# KiCad board processor.Z80.kicad_pcb
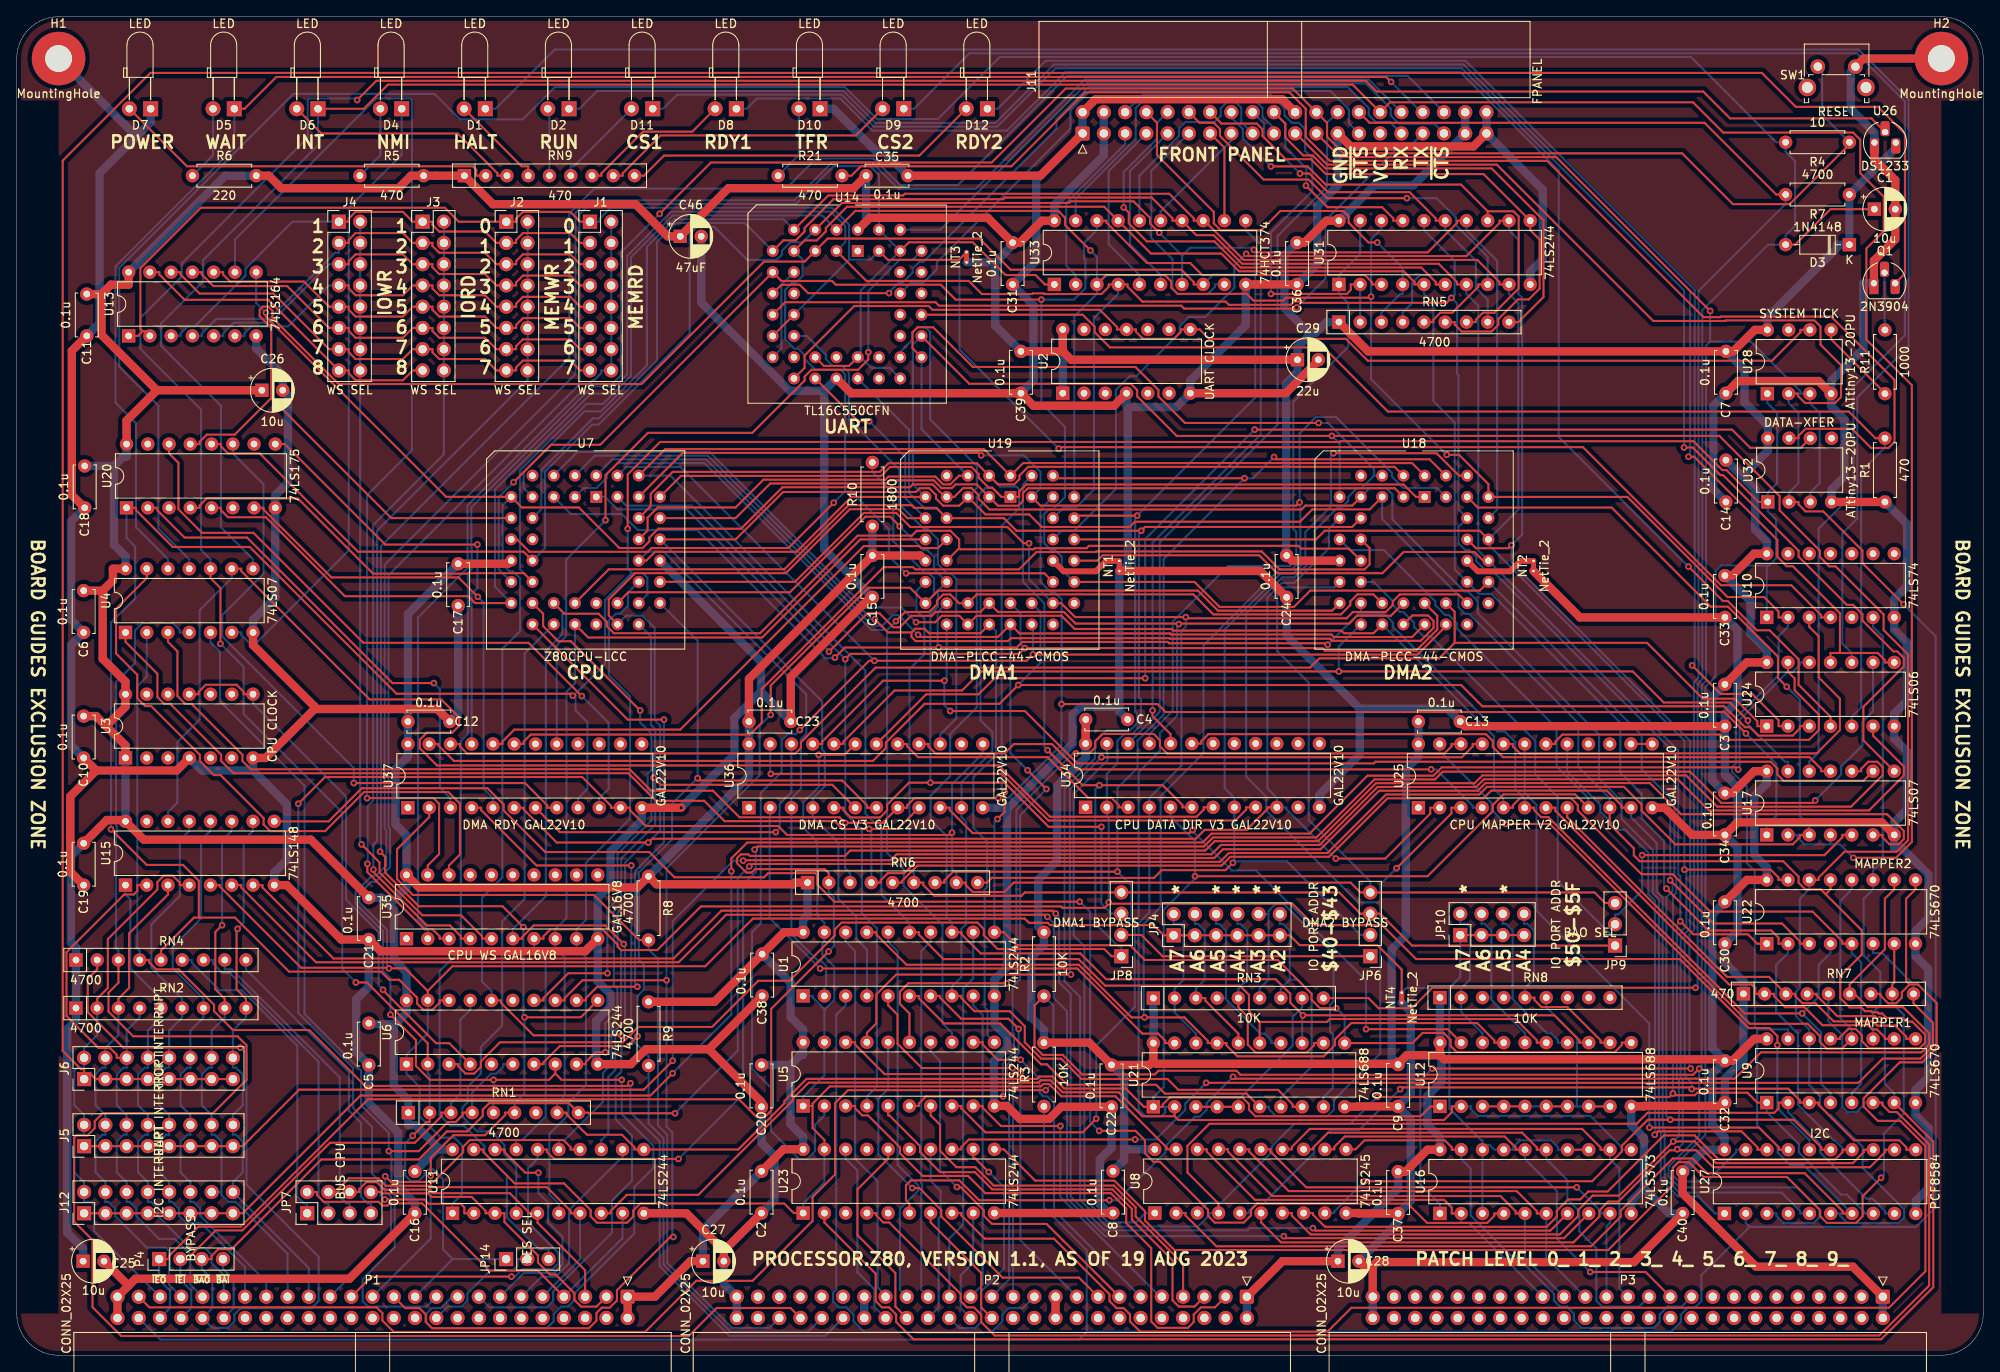
[diagram p0: board, top side]
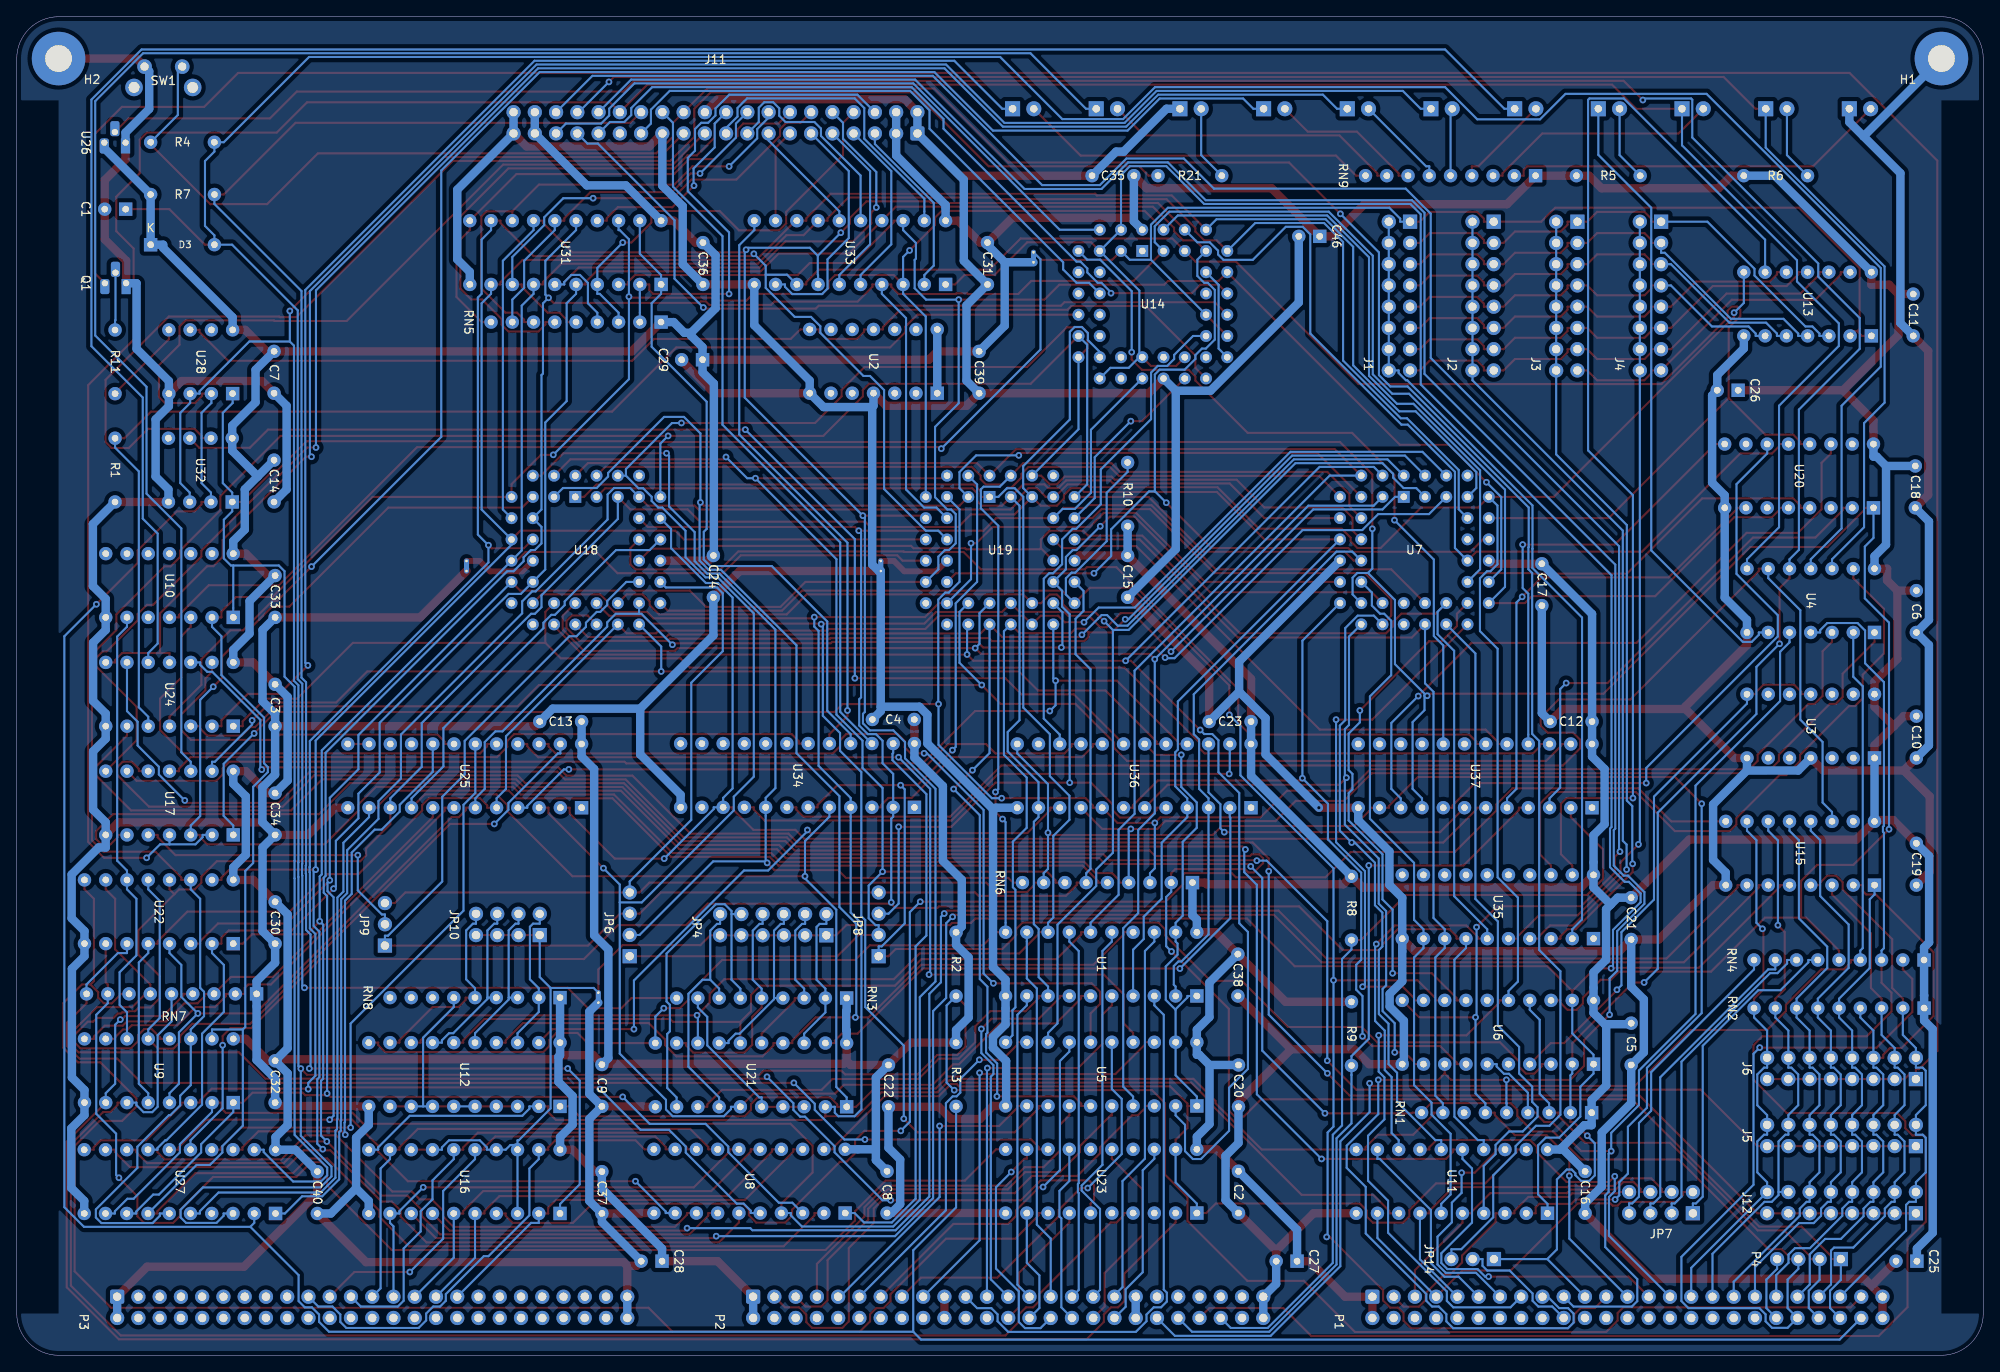
[diagram p1: board, bottom side, seen from below]

Outline 235 x 160 mm; copper layers: Top, Bottom. Coordinates in mm from the lower left corner of the outline.
Outline path: 0,155 0,5 arc(1.46,1.46) 5,0 230,0 arc(233.54,1.46) 235,5 235,155 arc(233.54,158.54) 230,160 5,160 arc(1.46,158.54) 0,155
Stack: Top 0.035mm / dielectric 1.51mm FR4 er 4.5 / Bottom 0.035mm

## Placement (name value [footprint] x y rotation side)
C1  10u  [CP_Radial_D5.0mm_P2.50mm]  221.98 137 0 top
C2  0.1u  [C_Disc_D5.0mm_W2.5mm_P5.00mm]  89 22 270 top
C3  0.1u  [C_Disc_D5.0mm_W2.5mm_P5.00mm]  204.12 80.2 270 top
C4  0.1u  [C_Disc_D5.0mm_W2.5mm_P5.00mm]  127.75 76 0 top
C5  0.1u  [C_Disc_D5.0mm_W2.5mm_P5.00mm]  42.08 39.7 270 top
C6  0.1u  [C_Disc_D5.0mm_W2.5mm_P5.00mm]  7.99 91.4 270 top
C7  0.1u  [C_Disc_D5.0mm_W2.5mm_P5.00mm]  204.25 120 270 top
C8  0.1u  [C_Disc_D5.0mm_W2.5mm_P5.00mm]  131 22 270 top
C9  0.1u  [C_Disc_D5.0mm_W2.5mm_P5.00mm]  165.07 34.75 270 top
C10  0.1u  [C_Disc_D5.0mm_W2.5mm_P5.00mm]  7.99 76.4 270 top
C11  0.1u  [C_Disc_D5.0mm_W2.5mm_P5.00mm]  8.37 126.85 270 top
C12  0.1u  [C_Disc_D5.0mm_W2.5mm_P5.00mm]  46.75 75.75 0 top
C13  0.1u  [C_Disc_D5.0mm_W2.5mm_P5.00mm]  167.5 75.75 0 top
C14  0.1u  [C_Disc_D5.0mm_W2.5mm_P5.00mm]  204.25 107 270 top
C15  0.1u  [C_Disc_D5.0mm_W2.5mm_P5.00mm]  102.25 95.6 270 top
C16  0.1u  [C_Disc_D5.0mm_W2.5mm_P5.00mm]  47.58 21.97 270 top
C17  0.1u  [C_Disc_D5.0mm_W2.5mm_P5.00mm]  52.75 94.61 270 top
C18  0.1u  [C_Disc_D5.0mm_W2.5mm_P5.00mm]  8.12 106.3 270 top
C19  0.1u  [C_Disc_D5.0mm_W2.5mm_P5.00mm]  7.99 61.2 270 top
C20  0.1u  [C_Disc_D5.0mm_W2.5mm_P5.00mm]  89 34.7 270 top
C21  0.1u  [C_Disc_D5.0mm_W2.5mm_P5.00mm]  42.08 54.7 270 top
C22  0.1u  [C_Disc_D5.0mm_W2.5mm_P5.00mm]  130.82 34.7 270 top
C23  0.1u  [C_Disc_D5.0mm_W2.5mm_P5.00mm]  87.5 75.75 0 top
C24  0.1u  [C_Disc_D5.0mm_W2.5mm_P5.00mm]  151.75 95.6 270 top
C25  10u  [CP_Radial_D5.0mm_P2.50mm]  7.93 11.25 0 top
C26  10u  [CP_Radial_D5.0mm_P2.50mm]  29.29 115.35 0 top
C27  10u  [CP_Radial_D5.0mm_P2.50mm]  82 11.25 0 top
C28  10u  [CP_Radial_D5.0mm_P2.50mm]  157.88 11.25 0 top
C29  22u  [CP_Radial_D5.0mm_P2.50mm]  153.04 119 0 top
C30  0.1u  [C_Disc_D5.0mm_W2.5mm_P5.00mm]  204.12 54.2 270 top
C31  0.1u  [C_Disc_D5.0mm_W2.5mm_P5.00mm]  119 133 270 top
C32  0.1u  [C_Disc_D5.0mm_W2.5mm_P5.00mm]  204.12 35.2 270 top
C33  0.1u  [C_Disc_D5.0mm_W2.5mm_P5.00mm]  204.12 93.2 270 top
C34  0.1u  [C_Disc_D5.0mm_W2.5mm_P5.00mm]  204.12 67.2 270 top
C35  0.1u  [C_Disc_D5.0mm_W2.5mm_P5.00mm]  101.5 141 0 top
C36  0.1u  [C_Disc_D5.0mm_W2.5mm_P5.00mm]  153 133 270 top
C37  0.1u  [C_Disc_D5.0mm_W2.5mm_P5.00mm]  165.07 21.95 270 top
C38  0.1u  [C_Disc_D5.0mm_W2.5mm_P5.00mm]  89.08 47.95 270 top
C39  0.1u  [C_Disc_D5.0mm_W2.5mm_P5.00mm]  120 120 270 top
C40  0.1u  [C_Disc_D5.0mm_W2.5mm_P5.00mm]  199.07 21.95 270 top
C46  47uF  [CP_Radial_D5.0mm_P2.50mm]  79.29 133.75 0 top
D1  LED  [LED_D3.0mm_Horizontal_O3.81mm_Z2.0mm]  56 149 180 top
D2  LED  [LED_D3.0mm_Horizontal_O3.81mm_Z2.0mm]  66 149 180 top
D3  1N4148  [D_DO-35_SOD27_P7.62mm_Horizontal]  219 132.75 180 top
D4  LED  [LED_D3.0mm_Horizontal_O3.81mm_Z2.0mm]  46 149 180 top
D5  LED  [LED_D3.0mm_Horizontal_O3.81mm_Z2.0mm]  26 149 180 top
D6  LED  [LED_D3.0mm_Horizontal_O3.81mm_Z2.0mm]  36 149 180 top
D7  LED  [LED_D3.0mm_Horizontal_O3.81mm_Z2.0mm]  16 149 180 top
D8  LED  [LED_D3.0mm_Horizontal_O3.81mm_Z2.0mm]  86 149 180 top
D9  LED  [LED_D3.0mm_Horizontal_O3.81mm_Z2.0mm]  106 149 180 top
D10  LED  [LED_D3.0mm_Horizontal_O3.81mm_Z2.0mm]  96 149 180 top
D11  LED  [LED_D3.0mm_Horizontal_O3.81mm_Z2.0mm]  76 149 180 top
D12  LED  [LED_D3.0mm_Horizontal_O3.81mm_Z2.0mm]  116 149 180 top
H1  MountingHole  [MountingHole_3.2mm_M3_Pad]  5 155 0 top
H2  MountingHole  [MountingHole_3.2mm_M3_Pad]  230 155 0 top
J1  WS SEL  [PinHeader_2x08_P2.54mm_Vertical]  68.5 135.5 0 top
J2  WS SEL  [PinHeader_2x08_P2.54mm_Vertical]  58.5 135.5 0 top
J3  WS SEL  [PinHeader_2x08_P2.54mm_Vertical]  48.5 135.5 0 top
J4  WS SEL  [PinHeader_2x08_P2.54mm_Vertical]  38.5 135.5 0 top
J5  UART INTERRUPT  [PinHeader_2x08_P2.54mm_Vertical]  8.05 25 90 top
J6  TICK INTERRUPT  [PinHeader_2x08_P2.54mm_Vertical]  8.05 33.01 90 top
J11  FPANEL  [IDC-Header_2x20_P2.54mm_Horizontal]  127.37 146.05 90 top
J12  I2C INTERRUPT  [PinHeader_2x08_P2.54mm_Vertical]  8.05 16.97 90 top
JP4  IO PORT ADDR  [PinHeader_2x06_P2.54mm_Vertical]  138.25 50.2 90 top
JP6  DMA2 BYPASS  [PinHeader_1x04_P2.54mm_Vertical]  161.75 47.7 180 top
JP7  BUS CPU  [PinHeader_2x04_P2.54mm_Vertical]  34.7 16.97 90 top
JP8  DMA1 BYPASS  [PinHeader_1x04_P2.54mm_Vertical]  132 47.7 180 top
JP9  BAO SEL  [PinHeader_1x03_P2.54mm_Vertical]  191 48.97 180 top
JP10  IO PORT ADDR  [PinHeader_2x04_P2.54mm_Vertical]  172.5 50.22 90 top
JP14  RES SEL  [PinHeader_1x03_P2.54mm_Vertical]  58.47 11.5 90 top
NT1  NetTie_2  [NetTie-2_THT_Pad0.3mm]  131.75 93.75 90 top
NT2  NetTie_2  [NetTie-2_THT_Pad0.3mm]  181.25 93.75 90 top
NT3  NetTie_2  [NetTie-2_THT_Pad0.3mm]  113.5 130.65 90 top
NT4  NetTie_2  [NetTie-2_THT_Pad0.3mm]  165.5 42.15 90 top
P1  CONN_02X25  [IDC-Header_2x25_P2.54mm_Horizontal]  73 7 270 top
P2  CONN_02X25  [IDC-Header_2x25_P2.54mm_Horizontal]  147 7 270 top
P3  CONN_02X25  [IDC-Header_2x25_P2.54mm_Horizontal]  223 7 270 top
P4  BYPASS  [PinHeader_1x04_P2.54mm_Vertical]  17.02 11.5 90 top
Q1  2N3904  [TO-92_HandSolder]  221.93 128.14 0 top
R1  470  [R_Axial_DIN0207_L6.3mm_D2.5mm_P7.62mm_Horizontal]  223.25 102 90 top
R2  10K  [R_Axial_DIN0207_L6.3mm_D2.5mm_P7.62mm_Horizontal]  122.75 42.94 90 top
R3  10K  [R_Axial_DIN0207_L6.3mm_D2.5mm_P7.62mm_Horizontal]  122.75 29.75 90 top
R4  10  [R_Axial_DIN0207_L6.3mm_D2.5mm_P7.62mm_Horizontal]  219 145 180 top
R5  470  [R_Axial_DIN0207_L6.3mm_D2.5mm_P7.62mm_Horizontal]  41 141 0 top
R6  220  [R_Axial_DIN0207_L6.3mm_D2.5mm_P7.62mm_Horizontal]  21 141 0 top
R7  4700  [R_Axial_DIN0207_L6.3mm_D2.5mm_P7.62mm_Horizontal]  219 138.75 180 top
R8  4700  [R_Axial_DIN0207_L6.3mm_D2.5mm_P7.62mm_Horizontal]  75.5 57.25 270 top
R9  4700  [R_Axial_DIN0207_L6.3mm_D2.5mm_P7.62mm_Horizontal]  75.5 42.25 270 top
R10  1800  [R_Axial_DIN0207_L6.3mm_D2.5mm_P7.62mm_Horizontal]  102.25 99.1 90 top
R11  1000  [R_Axial_DIN0207_L6.3mm_D2.5mm_P7.62mm_Horizontal]  223.25 114.94 90 top
R21  470  [R_Axial_DIN0207_L6.3mm_D2.5mm_P7.62mm_Horizontal]  91 141 0 top
RN1  4700  [R_Array_SIP9]  46.8 29 0 top
RN2  4700  [R_Array_SIP9]  7.07 41.5 0 top
RN3  10K  [R_Array_SIP9]  135.82 42.7 0 top
RN4  4700  [R_Array_SIP9]  7.08 47.25 0 top
RN5  4700  [R_Array_SIP9]  158 123.5 0 top
RN6  4700  [R_Array_SIP9]  94.5 56.5 0 top
RN7  470  [R_Array_SIP9]  206.34 43.2 0 top
RN8  10K  [R_Array_SIP9]  170.07 42.75 0 top
RN9  470  [R_Array_SIP9]  53.5 141 0 top
SW1  RESET  [SW_Tactile_SPST_Angled_PTS645Vx58-2LFS]  215.22 154.04 0 top
U1  74LS244  [DIP-20_W7.62mm]  93.97 42.95 90 top
U2  UART CLOCK  [DIP-14_W7.62mm]  125 115 90 top
U3  CPU CLOCK  [DIP-14_W7.62mm]  12.99 71.4 90 top
U4  74LS07  [DIP-14_W7.62mm]  12.99 86.4 90 top
U5  74LS244  [DIP-20_W7.62mm]  93.97 29.8 90 top
U6  74LS244  [DIP-20_W7.62mm]  46.58 34.8 90 top
U7  Z80CPU-LCC  [PLCC-44_THT-Socket]  69.25 102.61 0 top
U8  74LS245  [DIP-20_W7.62mm]  136 17 90 top
U9  74LS670  [DIP-16_W7.62mm]  209.12 30.2 90 top
U10  74LS74  [DIP-14_W7.62mm]  209.12 88.2 90 top
U11  74LS244  [DIP-20_W7.62mm]  52.08 16.97 90 top
U12  74LS688  [DIP-20_W7.62mm]  170.07 29.75 90 top
U13  74LS164  [DIP-14_W7.62mm]  13.37 121.85 90 top
U14  TL16C550CFN  [PLCC-44_THT-Socket]  100.5 132 0 top
U15  74LS148  [DIP-16_W7.62mm]  12.99 56.2 90 top
U16  74LS373  [DIP-20_W7.62mm]  170.07 16.95 90 top
U17  74LS07  [DIP-14_W7.62mm]  209.12 62.2 90 top
U18  DMA-PLCC-44-CMOS  [PLCC-44_THT-Socket]  168.25 102.6 0 top
U19  DMA-PLCC-44-CMOS  [PLCC-44_THT-Socket]  118.75 102.6 0 top
U20  74LS175  [DIP-16_W7.62mm]  13.12 101.3 90 top
U21  74LS688  [DIP-20_W7.62mm]  135.82 29.7 90 top
U22  74LS670  [DIP-16_W7.62mm]  209.12 49.2 90 top
U23  74LS244  [DIP-20_W7.62mm]  93.97 17 90 top
U24  74LS06  [DIP-14_W7.62mm]  209.12 75.2 90 top
U25  GAL22V10  [DIP-24_W7.62mm]  167.5 65.45 90 top
U26  DS1233  [TO-92L_HandSolder]  222 144.95 0 top
U27  PCF8584  [DIP-20_W7.62mm]  204.07 16.95 90 top
U28  ATtiny13-20PU  [DIP-8_W7.62mm]  209.2 114.95 90 top
U31  74LS244  [DIP-20_W7.62mm]  158 128 90 top
U32  ATtiny13-20PU  [DIP-8_W7.62mm]  209.25 102 90 top
U33  74HCT374  [DIP-20_W7.62mm]  124 128 90 top
U34  GAL22V10  [DIP-24_W7.62mm]  127.72 65.5 90 top
U35  GAL16V8  [DIP-20_W7.62mm]  46.58 49.8 90 top
U36  GAL22V10  [DIP-24_W7.62mm]  87.5 65.45 90 top
U37  GAL22V10  [DIP-24_W7.62mm]  46.75 65.45 90 top

## Library data of the parts
U7 = -: Manufacturer_Name: Zilog; Manufacturer_Part_Number: Z84C00
U18 U19 = -: Description: 6 MHZ Z80 CMOS SIO/2 , Z84C4206PEG Zilog Z84C4206PEG, 8bit Z8 Microcontroller, 6MHz ROMLess, 40-Pin PDIP; Allied Price/Stock: https://www.alliedelec.com/zilog-z84c4206peg/R1000052/; Allied_Number: R1000052; Height: 4.06; Manufacturer_Name: Zilog; Manufacturer_Part_Number: Z84C4206PEG; Mouser Part Number: 692-Z84C4206PEG; Mouser Price/Stock: https://www.mouser.com/Search/Refine.aspx?Keyword=692-Z84C4206PEG; RS Part Number: 6600766; RS Price/Stock: https://uk.rs-online.com/web/p/products/6600766

## Footprints (pads in the part's own frame, mm; a bottom-side part is the same pattern mirrored in y, then rotated)
C_Disc_D5.0mm_W2.5mm_P5.00mm
  round 1.6 hole 0.8: 1(0,0) 2(5,0)
CP_Radial_D5.0mm_P2.50mm
  rect 1.6x1.6 hole 0.8: 1(0,0)
  round 1.6 hole 0.8: 2(2.5,0)
D_DO-35_SOD27_P7.62mm_Horizontal
  rect 1.6x1.6 hole 0.8: 1(0,0)
  oval 1.6x1.6 hole 0.8: 2(7.62,0)
DIP-8_W7.62mm
  rect 1.6x1.6 hole 0.8: 1(0,0)
  oval 1.6x1.6 hole 0.8: 2(0,-2.54) 3(0,-5.08) 4(0,-7.62) 5(7.62,-7.62) 6(7.62,-5.08) 7(7.62,-2.54) 8(7.62,0)
DIP-14_W7.62mm
  rect 1.6x1.6 hole 0.8: 1(0,0)
  oval 1.6x1.6 hole 0.8: 2(0,-2.54) 3(0,-5.08) 4(0,-7.62) 5(0,-10.16) 6(0,-12.7) 7(0,-15.24) 8(7.62,-15.24) 9(7.62,-12.7) 10(7.62,-10.16) 11(7.62,-7.62) 12(7.62,-5.08) 13(7.62,-2.54) 14(7.62,0)
DIP-16_W7.62mm
  rect 1.6x1.6 hole 0.8: 1(0,0)
  oval 1.6x1.6 hole 0.8: 2(0,-2.54) 3(0,-5.08) 4(0,-7.62) 5(0,-10.16) 6(0,-12.7) 7(0,-15.24) 8(0,-17.78) 9(7.62,-17.78) 10(7.62,-15.24) 11(7.62,-12.7) 12(7.62,-10.16) 13(7.62,-7.62) 14(7.62,-5.08) 15(7.62,-2.54) 16(7.62,0)
DIP-20_W7.62mm
  rect 1.6x1.6 hole 0.8: 1(0,0)
  oval 1.6x1.6 hole 0.8: 2(0,-2.54) 3(0,-5.08) 4(0,-7.62) 5(0,-10.16) 6(0,-12.7) 7(0,-15.24) 8(0,-17.78) 9(0,-20.32) 10(0,-22.86) 11(7.62,-22.86) 12(7.62,-20.32) 13(7.62,-17.78) 14(7.62,-15.24) 15(7.62,-12.7) 16(7.62,-10.16) 17(7.62,-7.62) 18(7.62,-5.08) 19(7.62,-2.54) 20(7.62,0)
DIP-24_W7.62mm
  rect 1.6x1.6 hole 0.8: 1(0,0)
  oval 1.6x1.6 hole 0.8: 2(0,-2.54) 3(0,-5.08) 4(0,-7.62) 5(0,-10.16) 6(0,-12.7) 7(0,-15.24) 8(0,-17.78) 9(0,-20.32) 10(0,-22.86) 11(0,-25.4) 12(0,-27.94) 13(7.62,-27.94) 14(7.62,-25.4) 15(7.62,-22.86) 16(7.62,-20.32) 17(7.62,-17.78) 18(7.62,-15.24) 19(7.62,-12.7) 20(7.62,-10.16) 21(7.62,-7.62) 22(7.62,-5.08) 23(7.62,-2.54) 24(7.62,0)
IDC-Header_2x20_P2.54mm_Horizontal
  rrect 1.7x1.7 hole 1: 1(0,0)
  round 1.7 hole 1: 2(2.54,0) 3(0,-2.54) 4(2.54,-2.54) 5(0,-5.08) 6(2.54,-5.08) 7(0,-7.62) 8(2.54,-7.62) 9(0,-10.16) 10(2.54,-10.16) 11(0,-12.7) 12(2.54,-12.7) 13(0,-15.24) 14(2.54,-15.24) 15(0,-17.78) 16(2.54,-17.78) 17(0,-20.32) 18(2.54,-20.32) 19(0,-22.86) 20(2.54,-22.86) 21(0,-25.4) 22(2.54,-25.4) 23(0,-27.94) 24(2.54,-27.94) 25(0,-30.48) 26(2.54,-30.48) 27(0,-33.02) 28(2.54,-33.02) 29(0,-35.56) 30(2.54,-35.56) 31(0,-38.1) 32(2.54,-38.1) 33(0,-40.64) 34(2.54,-40.64) 35(0,-43.18) 36(2.54,-43.18) 37(0,-45.72) 38(2.54,-45.72) 39(0,-48.26) 40(2.54,-48.26)
IDC-Header_2x25_P2.54mm_Horizontal
  rrect 1.7x1.7 hole 1: 1(0,0)
  round 1.7 hole 1: 2(2.54,0) 3(0,-2.54) 4(2.54,-2.54) 5(0,-5.08) 6(2.54,-5.08) 7(0,-7.62) 8(2.54,-7.62) 9(0,-10.16) 10(2.54,-10.16) 11(0,-12.7) 12(2.54,-12.7) 13(0,-15.24) 14(2.54,-15.24) 15(0,-17.78) 16(2.54,-17.78) 17(0,-20.32) 18(2.54,-20.32) 19(0,-22.86) 20(2.54,-22.86) 21(0,-25.4) 22(2.54,-25.4) 23(0,-27.94) 24(2.54,-27.94) 25(0,-30.48) 26(2.54,-30.48) 27(0,-33.02) 28(2.54,-33.02) 29(0,-35.56) 30(2.54,-35.56) 31(0,-38.1) 32(2.54,-38.1) 33(0,-40.64) 34(2.54,-40.64) 35(0,-43.18) 36(2.54,-43.18) 37(0,-45.72) 38(2.54,-45.72) 39(0,-48.26) 40(2.54,-48.26) 41(0,-50.8) 42(2.54,-50.8) 43(0,-53.34) 44(2.54,-53.34) 45(0,-55.88) 46(2.54,-55.88) 47(0,-58.42) 48(2.54,-58.42) 49(0,-60.96) 50(2.54,-60.96)
LED_D3.0mm_Horizontal_O3.81mm_Z2.0mm
  rect 1.8x1.8 hole 0.9: 1(0,0)
  round 1.8 hole 0.9: 2(2.54,0)
MountingHole_3.2mm_M3_Pad
  round 6.4 hole 3.2: 1(0,0)
NetTie-2_THT_Pad0.3mm
  round 0.6 hole 0.3: 1(0,0) 2(1.2,0)
PinHeader_1x03_P2.54mm_Vertical
  rect 1.7x1.7 hole 1: 1(0,0)
  oval 1.7x1.7 hole 1: 2(0,-2.54) 3(0,-5.08)
PinHeader_1x04_P2.54mm_Vertical
  rect 1.7x1.7 hole 1: 1(0,0)
  oval 1.7x1.7 hole 1: 2(0,-2.54) 3(0,-5.08) 4(0,-7.62)
PinHeader_2x04_P2.54mm_Vertical
  rect 1.7x1.7 hole 1: 1(0,0)
  oval 1.7x1.7 hole 1: 2(2.54,0) 3(0,-2.54) 4(2.54,-2.54) 5(0,-5.08) 6(2.54,-5.08) 7(0,-7.62) 8(2.54,-7.62)
PinHeader_2x06_P2.54mm_Vertical
  rect 1.7x1.7 hole 1: 1(0,0)
  oval 1.7x1.7 hole 1: 2(2.54,0) 3(0,-2.54) 4(2.54,-2.54) 5(0,-5.08) 6(2.54,-5.08) 7(0,-7.62) 8(2.54,-7.62) 9(0,-10.16) 10(2.54,-10.16) 11(0,-12.7) 12(2.54,-12.7)
PinHeader_2x08_P2.54mm_Vertical
  rect 1.7x1.7 hole 1: 1(0,0)
  oval 1.7x1.7 hole 1: 2(2.54,0) 3(0,-2.54) 4(2.54,-2.54) 5(0,-5.08) 6(2.54,-5.08) 7(0,-7.62) 8(2.54,-7.62) 9(0,-10.16) 10(2.54,-10.16) 11(0,-12.7) 12(2.54,-12.7) 13(0,-15.24) 14(2.54,-15.24) 15(0,-17.78) 16(2.54,-17.78)
PLCC-44_THT-Socket
  rect 1.422x1.422 hole 0.8: 1(0,0)
  round 1.422 hole 0.8: 2(-2.54,2.54) 3(-2.54,0) 4(-5.08,2.54) 5(-5.08,0) 6(-7.62,2.54) 7(-10.16,0) 8(-7.62,0) 9(-10.16,-2.54) 10(-7.62,-2.54) 11(-10.16,-5.08) 12(-7.62,-5.08) 13(-10.16,-7.62) 14(-7.62,-7.62) 15(-10.16,-10.16) 16(-7.62,-10.16) 17(-10.16,-12.7) 18(-7.62,-15.24) 19(-7.62,-12.7) 20(-5.08,-15.24) 21(-5.08,-12.7) 22(-2.54,-15.24) 23(-2.54,-12.7) 24(0,-15.24) 25(0,-12.7) 26(2.54,-15.24) 27(2.54,-12.7) 28(5.08,-15.24) 29(7.62,-12.7) 30(5.08,-12.7) 31(7.62,-10.16) 32(5.08,-10.16) 33(7.62,-7.62) 34(5.08,-7.62) 35(7.62,-5.08) 36(5.08,-5.08) 37(7.62,-2.54) 38(5.08,-2.54) 39(7.62,0) 40(5.08,2.54) 41(5.08,0) 42(2.54,2.54) 43(2.54,0) 44(0,2.54)
R_Array_SIP9
  rect 1.6x1.6 hole 0.8: 1(0,0)
  oval 1.6x1.6 hole 0.8: 2(2.54,0) 3(5.08,0) 4(7.62,0) 5(10.16,0) 6(12.7,0) 7(15.24,0) 8(17.78,0) 9(20.32,0)
R_Axial_DIN0207_L6.3mm_D2.5mm_P7.62mm_Horizontal
  round 1.6 hole 0.8: 1(0,0)
  oval 1.6x1.6 hole 0.8: 2(7.62,0)
SW_Tactile_SPST_Angled_PTS645Vx58-2LFS
  round 2.1 hole 1.3: (-1.25,-2.49) (5.76,-2.49)
  round 1.75 hole 0.99: 1(0,0) 2(4.5,0)
TO-92_HandSolder
  rect 1.1x1.8 hole 0.75: 1(0,0)
  rrect 1.1x1.8 hole 0.75: 2(1.27,1.27) 3(2.54,0)
TO-92L_HandSolder
  rect 1.1x1.8 hole 0.75: 1(0,0)
  rrect 1.1x1.8 hole 0.75: 2(1.27,1.27) 3(2.54,0)

## Nets
+12V: P2.19 P2.20
-12V: P2.37 P2.38
/DMA/GND-DMA1: NT1.2 U19.34
/DMA/GND-DMA2: NT2.2 U18.34
GND: C1.2 C2.2 C3.2 C4.2 C5.2 C6.2 C7.2 C8.2 C9.2 C10.2 C11.2 C12.2 C13.2 C14.2 C15.2 C16.2 C17.2 C18.2 C19.2 C20.2 C21.2 C22.2 C23.2 C24.2 C25.2 C26.2 C27.2 C28.2 C29.2 C30.2 C31.2 C32.2 C33.2 C34.2 C35.2 C36.2 C37.2 C38.2 C39.2 C40.2 C46.2 D7.1 D10.1 H1.1 H2.1 J11.1 J11.2 J11.22 J11.25 J11.39 J11.40 NT1.1 NT2.1 NT4.1 P1.49 P1.50 P2.49 P2.50 P3.49 P3.50 Q1.1 R1.1 RN7.1 SW1.2 U1.10 U2.4 U2.7 U3.4 U3.7 U4.7 U5.10 U6.10 U7.33 U8.10 U9.8 U10.7 U11.10 U12.10 U13.7 U14.22 U15.8 U16.10 U17.7 U20.8 U21.10 U22.8 U23.10 U24.7 U25.12 U26.1 U27.10 U28.4 U31.10 U32.4 U33.10 U34.12 U35.10 U36.12 U37.12
VCC: C2.1 C3.1 C4.1 C5.1 C6.1 C7.1 C8.1 C9.1 C10.1 C11.1 C12.1 C13.1 C14.1 C15.1 C16.1 C17.1 C18.1 C19.1 C20.1 C21.1 C22.1 C23.1 C24.1 C25.1 C26.1 C27.1 C28.1 C29.1 C30.1 C31.1 C32.1 C33.1 C34.1 C35.1 C36.1 C37.1 C38.1 C39.1 C40.1 C46.1 D3.1 J11.3 J11.4 J11.37 J11.38 NT3.1 P1.1 P1.2 P2.1 P2.2 P3.1 P3.2 R2.2 R3.2 R5.2 R6.2 R7.1 R8.1 R9.1 R10.1 RN1.1 RN2.1 RN3.1 RN4.1 RN5.1 RN6.1 RN8.1 RN9.1 U1.20 U2.1 U2.14 U3.1 U3.14 U4.14 U5.20 U6.20 U7.13 U8.20 U9.16 U10.14 U11.20 U12.20 U13.14 U14.44 U15.16 U16.20 U17.14 U18.13 U19.13 U20.16 U21.20 U22.16 U23.20 U24.14 U25.24 U26.3 U27.20 U28.8 U31.20 U32.8 U33.20 U34.24 U35.20 U36.24 U37.24
10KA: C1.1 D3.2 R4.2 RN3.9 U4.11
470A: D7.2 RN9.2
470B: D6.2 RN9.3
470C: D1.2 RN9.4
470D: D2.2 RN9.5
470E: D11.2 RN9.6
470F: D8.2 RN9.7
470G: D9.2 RN9.8
470H: D12.2 RN9.9
/bus/A22: P2.24
/bus/A23: P2.22
/bus/A24: P2.18
/bus/A25: P2.16
/bus/A26: P2.14
/bus/A27: P2.12
/bus/A28: P2.10
/bus/A29: P2.8
/bus/A30: P2.6
/bus/A31: P2.4
/bus/AUXCLK0: P2.48
/bus/AUXCLK1: P2.47
/bus/AUXCLK2: P3.48
/bus/AUXCLK3: P3.46
/bus/CRUCLK: P1.14
/bus/CRUIN: P1.18
/bus/CRUOUT: P1.16
/bus/D8: P3.17
/bus/D9: P3.15
/bus/D10: P3.13
/bus/D11: P3.11
/bus/D12: P3.9
/bus/D13: P3.7
/bus/D14: P3.5
/bus/D15: P3.3
/bus/D16: P3.34
/bus/D17: P3.32
/bus/D18: P3.30
/bus/D19: P3.28
/bus/D20: P3.26
/bus/D21: P3.24
/bus/D22: P3.22
/bus/D23: P3.20
/bus/D24: P3.18
/bus/D25: P3.16
/bus/D26: P3.14
/bus/D27: P3.12
/bus/D28: P3.10
/bus/D29: P3.8
/bus/D30: P3.6
/bus/D31: P3.4
/bus/E: P1.4
/bus/IC0: P2.45
/bus/IC1: P2.43
/bus/IC2: P2.41
/bus/IC3: P2.39
/bus/IPL0: P3.47
/bus/IPL1: P3.45
/bus/IPL2: P3.43
/bus/LDS: P3.38
/bus/PHI: P1.8
/bus/S0: P3.44
/bus/S1: P3.42
/bus/S2: P3.40
/bus/ST: P1.6
/bus/UDS: P3.36
/bus/USER0: P1.38
/bus/USER1: P1.36
/bus/USER2: P1.34
/bus/USER3: P1.32
/bus/USER4: P1.30
/bus/USER5: P1.28
/bus/USER6: P1.26
/bus/USER7: P1.24
/bus/USER8: P1.22
/bus/~{BHE}: P3.41
/bus/~{BUSERR}: P3.35
/bus/~{INT1}: P1.12
/bus/~{INT2}: P1.10
/bus/~{VMA}: P3.39
/bus/~{VPA}: P3.37
/fpanel/FP-D0: J11.6 RN5.2 U31.2
/fpanel/FP-D1: J11.8 RN5.3 U31.4
/fpanel/FP-D2: J11.10 RN5.4 U31.6
/fpanel/FP-D3: J11.12 RN5.5 U31.8
/fpanel/FP-D4: J11.14 RN5.6 U31.11
/fpanel/FP-D5: J11.16 RN5.7 U31.13
/fpanel/FP-D6: J11.18 RN5.8 U31.15
/fpanel/FP-D7: J11.20 RN5.9 U31.17
/mapper/~{A}: U25.13 U25.14
/waitstate/1WS: J1.3 J2.3 J3.1 J4.1 U13.3
/waitstate/2WS: J1.5 J2.5 J3.3 J4.3 U13.4
/waitstate/3WS: J1.7 J2.7 J3.5 J4.5 U13.5
/waitstate/4WS: J1.9 J2.9 J3.7 J4.7 U13.6
/waitstate/5WS: J1.11 J2.11 J3.9 J4.9 U13.10
/waitstate/6WS: J1.13 J2.13 J3.11 J4.11 U13.11
/waitstate/7WS: J1.15 J2.15 J3.13 J4.13 U13.12
/waitstate/8WS: J3.15 J4.15 U13.13
A0: P2.35 U1.18
A1: P2.33 U1.16
A2: P2.31 U1.14
A3: P2.29 U1.12
A4: P2.27 U1.9
A5: P2.25 U1.7
A6: P2.23 U1.5
A7: P2.21 U1.3
A8: P2.17 U5.18
A9: P2.15 U5.16
A10: P2.13 U5.14
A11: P2.11 U5.12
A12: P2.9 U5.9
A13: P2.7 U5.7
A14: P2.5 U5.5
A15: P2.3 U5.3
A16: P2.36 U23.18
A17: P2.34 U23.16
A18: P2.32 U23.14
A19: P2.30 U23.12
A20: P2.28 U23.9
A21: P2.26 U23.7
CLK: P1.15 U6.16 U7.7 U13.8 U18.8 U19.8 U27.1
CPU-A0: U1.2 U7.34 U9.14 U14.31 U18.7 U19.7 U22.14 U27.6 U36.3
CPU-A1: U1.4 U7.35 U9.13 U14.30 U18.5 U19.5 U22.13 U25.10 U36.4
CPU-A2: U1.6 U7.36 U14.29 U18.4 U19.4 U21.6 U25.3
CPU-A3: U1.8 U7.37 U18.3 U19.3 U21.8 U36.11
CPU-A4: U1.11 U7.38 U12.11 U18.2 U19.2 U21.11
CPU-A5: U1.13 U7.39 U12.13 U18.1 U19.1 U21.13
CPU-A6: U1.15 U7.40 U12.15 U18.44 U19.44 U21.15
CPU-A7: U1.17 U7.41 U12.17 U18.43 U19.43 U21.17
CPU-A8: U5.2 U7.42 U18.26 U19.26
CPU-A9: U5.4 U7.43 U18.25 U19.25
CPU-A10: U5.6 U7.44 U18.24 U19.24
CPU-A11: U5.8 U7.1 U18.23 U19.23
CPU-A12: U5.11 U7.2 U18.22 U19.22
CPU-A13: U5.13 U7.3 U18.21 U19.21
CPU-A14: U7.4 U9.5 U18.20 U19.20 U22.5 U25.5
CPU-A15: U7.5 U9.4 U18.19 U19.19 U22.4 U25.6
CPU-D0: U7.16 U8.2 U9.15 U10.2 U14.2 U18.39 U19.39 U20.4 U27.7 U31.18 U33.3
CPU-D1: U7.17 U8.3 U9.1 U14.3 U18.38 U19.38 U20.5 U27.8 U31.16 U33.4
CPU-D2: U7.14 U8.4 U9.2 U14.4 U18.37 U19.37 U20.12 U27.9 U31.14 U33.7
CPU-D3: U7.9 U8.5 U9.3 U14.5 U18.36 U19.36 U20.13 U27.11 U31.12 U33.8
CPU-D4: U7.8 U8.6 U14.6 U18.35 U19.35 U22.15 U27.12 U31.9 U33.13
CPU-D5: U7.10 U8.7 U14.7 U18.33 U19.33 U22.1 U27.13 U31.7 U33.14
CPU-D6: U7.11 U8.8 U14.8 U18.32 U19.32 U22.2 U27.14 U31.5 U33.17
CPU-D7: U7.15 U8.9 U14.9 U18.31 U19.31 U22.3 U27.15 U31.3 U33.18
D0: P3.33 U8.18 U16.2
D1: P3.31 U8.17 U16.5
D2: P3.29 U8.16 U16.6
D3: P3.27 U8.15 U16.9
D4: P3.25 U8.14 U16.12
D5: P3.23 U8.13 U16.15
D6: P3.21 U8.12 U16.16
D7: P3.19 U8.11 U16.19
DATA-DIR: U8.1 U34.23
DATA-XFER: U32.6 U36.18
DMA-RDY1: U19.27 U24.3 U37.23